# Altium PCB Smart Humidifier.PcbDoc
Units mil, origin at the board's own origin, x right, y up, seen from the top; angles counter-clockwise.
Board outline 3149.61 x 3149.61 mil, 2 copper layers (Top Layer, Bottom Layer); 111 components, 92 nets, 423 pads, 108 vias.
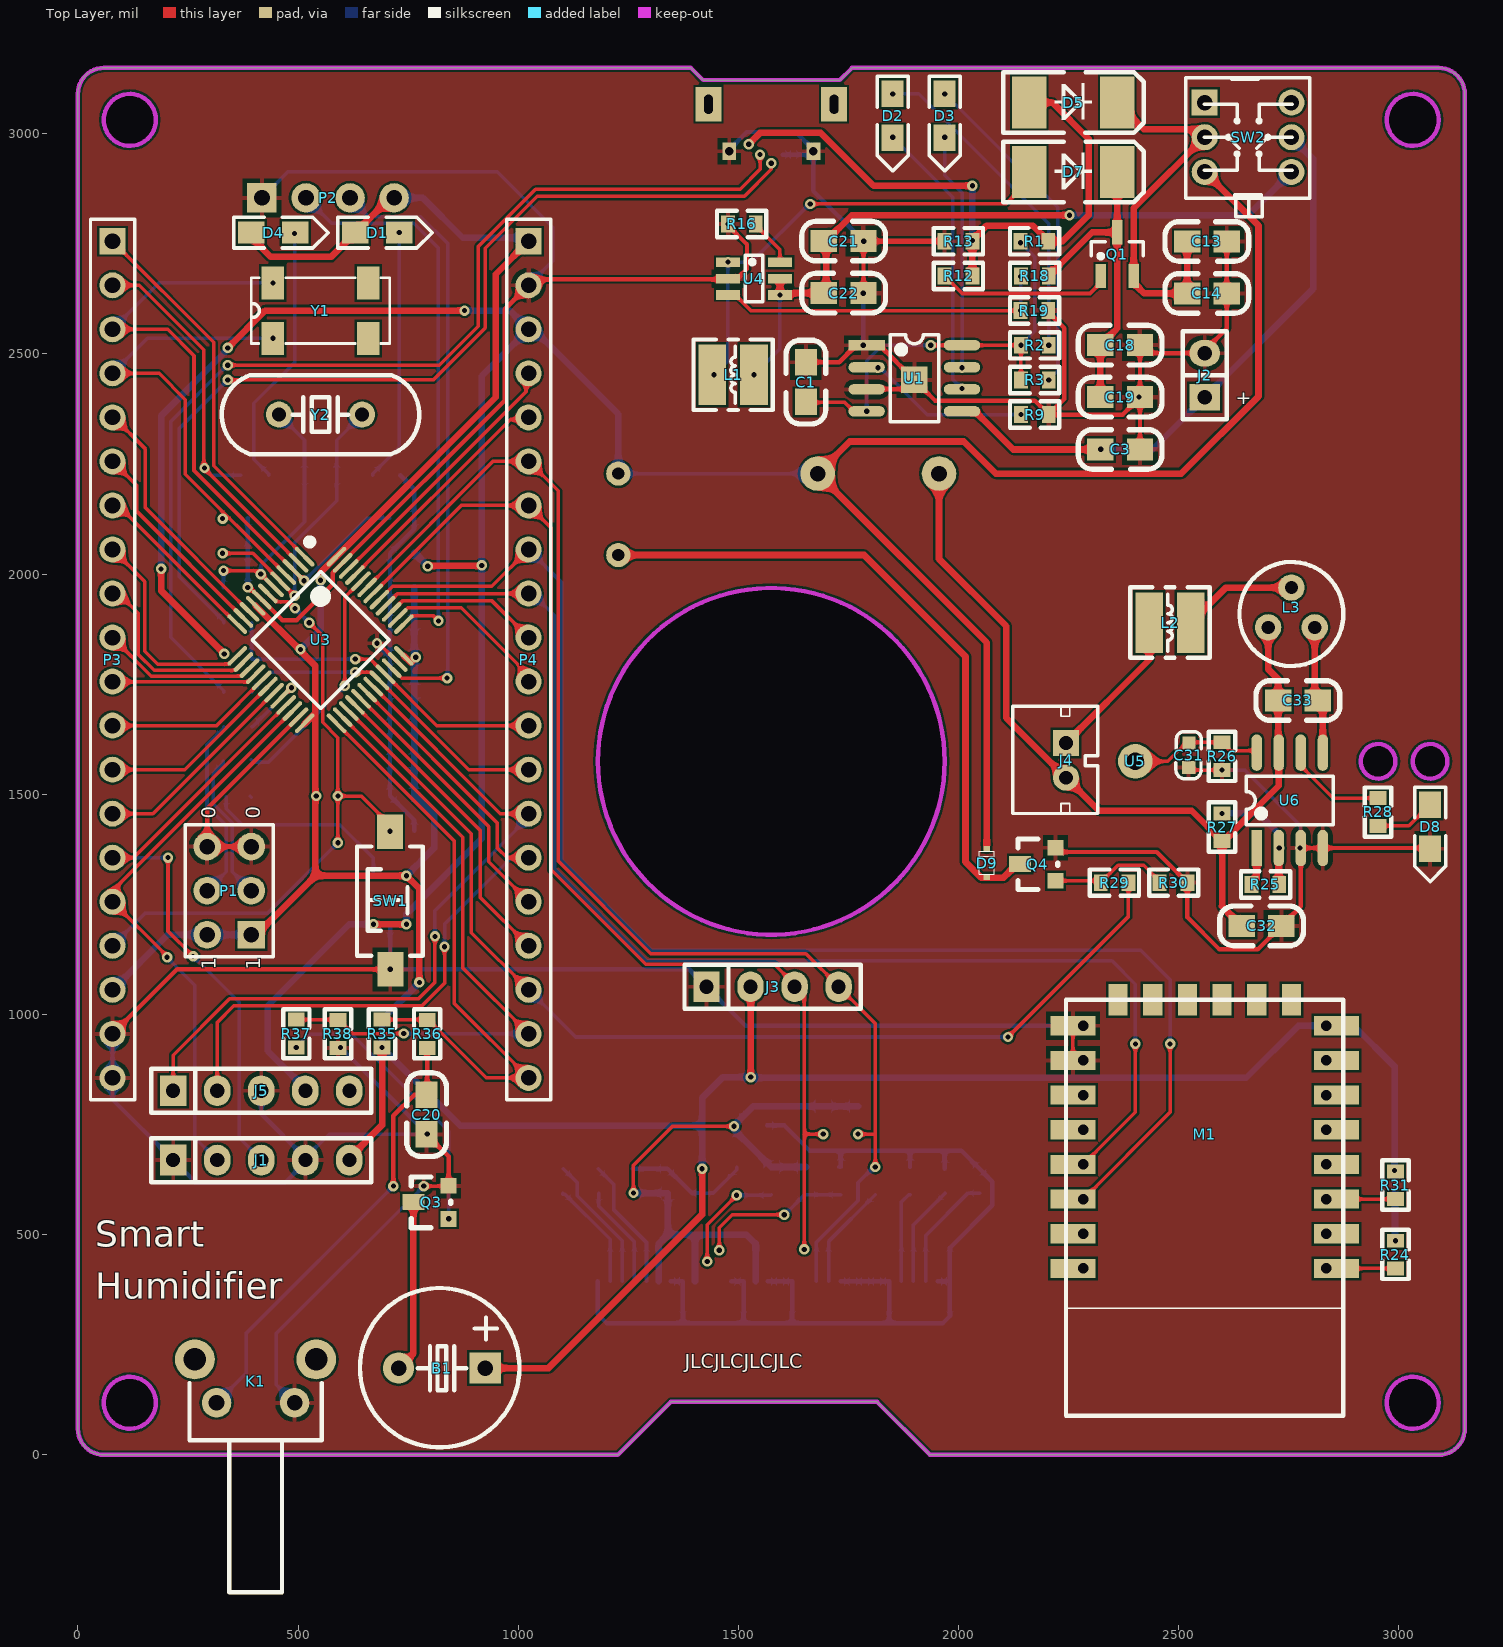
[diagram p0: Top Layer view]
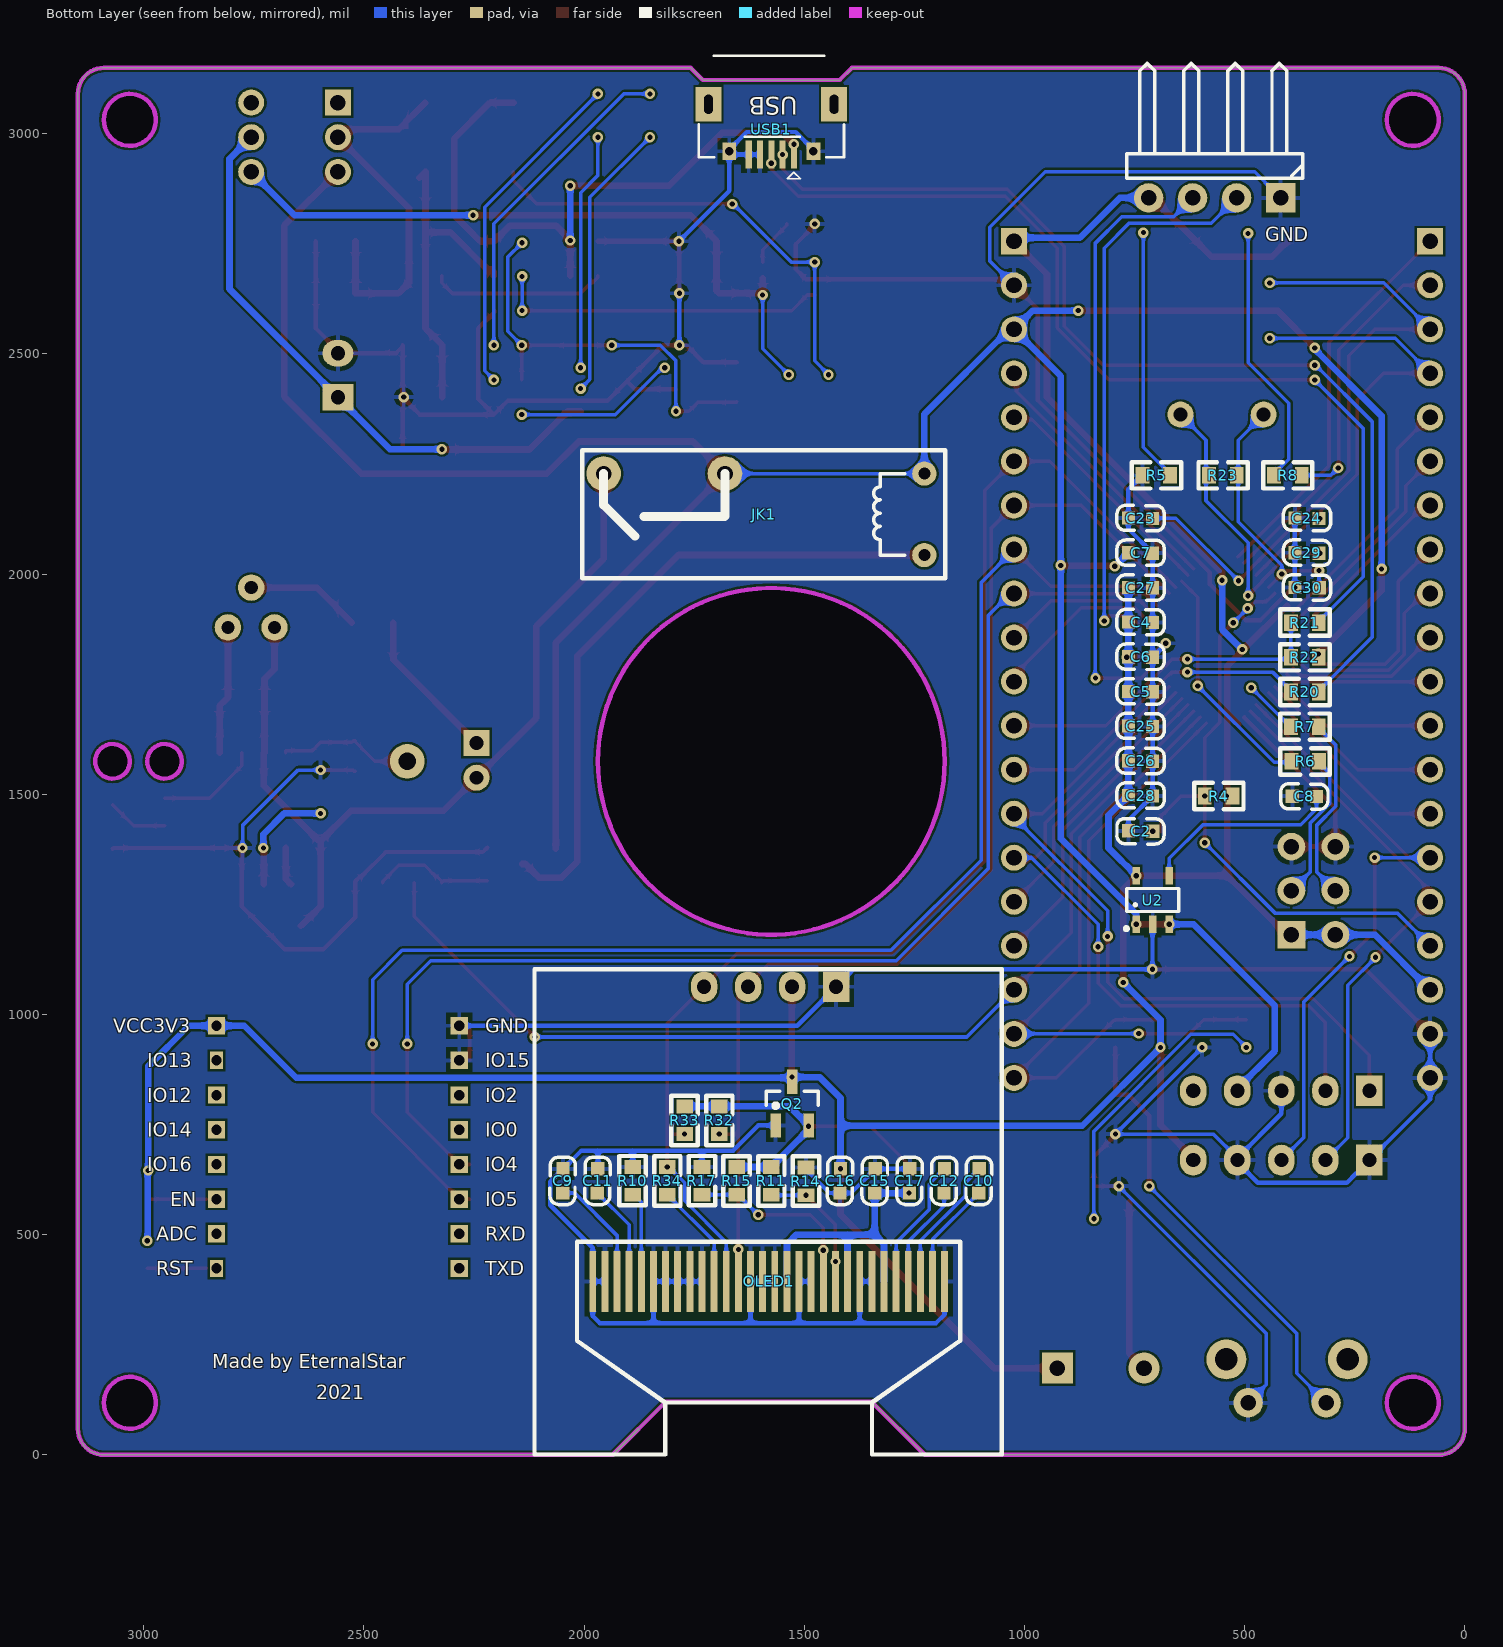
[diagram p1: Bottom Layer view, seen from below]

## Layer stack, top to bottom
Top Solder: solder mask 0.4, Solder Resist, Dk 3.5
Top Layer: signal copper 1.4
Dielectric 1: dielectric 12.6, FR-4, Dk 4.8
Bottom Layer: signal copper 1.4
Bottom Solder: solder mask 0.4, Solder Resist, Dk 3.5

## Board outline
59.06,0 cw(c59.06,59.06) 0,59.06 0,3090.55 cw(c59.06,3090.55) 59.06,3149.61 1392.22,3149.61 1419.78,3122.05 1730.32,3122.05 1757.87,3149.61 3090.55,3149.61 cw(c3090.55,3090.55) 3149.61,3090.55 3149.61,59.06 cw(c3090.55,59.06) 3090.55,0 1935.04,0 1814.96,120.08 1346.46,120.08 1226.38,0
cut-out: 3031.5,1574.8 ccw(c3070.87,1574.8) 3070.87,1535.43 ccw(c3070.87,1574.8) 3110.24,1574.8 ccw(c3070.87,1574.8) 3070.87,1614.17 ccw(c3070.87,1574.8)
cut-out: 2913.39,1574.8 ccw(c2952.76,1574.8) 2952.76,1535.43 ccw(c2952.76,1574.8) 2992.13,1574.8 ccw(c2952.76,1574.8) 2952.76,1614.17 ccw(c2952.76,1574.8)
cut-out: 2972.44,118.11 ccw(c3031.5,118.11) 3031.5,59.06 ccw(c3031.5,118.11) 3090.55,118.11 ccw(c3031.5,118.11) 3031.5,177.17 ccw(c3031.5,118.11)
cut-out: 118.11,59.06 cw(c118.11,118.11) 59.06,118.11 cw(c118.11,118.11) 118.11,177.17 cw(c118.11,118.11) 177.17,118.11 cw(c118.11,118.11)
cut-out: 3031.5,2972.44 cw(c3031.5,3031.5) 2972.44,3031.5 cw(c3031.5,3031.5) 3031.5,3090.55 cw(c3031.5,3031.5) 3090.55,3031.5 cw(c3031.5,3031.5)
cut-out: 118.11,2972.44 cw(c118.11,3031.5) 59.06,3031.5 cw(c118.11,3031.5) 118.11,3090.55 cw(c118.11,3031.5) 177.17,3031.5 cw(c118.11,3031.5)
cut-out: 1577.69,1180.04 cw(c1577.69,1573.74) 1183.98,1573.74 cw(c1577.69,1573.74) 1577.69,1967.44 cw(c1577.69,1573.74) 1971.39,1573.74 cw(c1577.69,1573.74)

## Design rules (kind name [scope] priority, off if disabled: settings)
Clearance [All] p1: gap=5 ignorepadtopadclearanceinfootprint=TRUE
ComponentClearance ComponentClearance_1 [InComponent('OLED1')] p1: gap=0 collisioncheckmode=3 verticalgap=0 showdistances=FALSE
ComponentClearance [All] p2: gap=10 collisioncheckmode=3 verticalgap=10 showdistances=FALSE
DiffPairsRouting [All] p1: maxlimit=10 minlimit=3.5 mostfreqgap=8 toplayer_minwidth=3.5 toplayer_maxwidth=15 toplayer_prefwidth=8 bottomlayer_minwidth=3.5 bottomlayer_maxwidth=15 bottomlayer_prefwidth=8 maxuncoupledlength=500
MinimumSolderMaskSliver [All] p1: minsoldermaskwidth=0
PolygonConnect [All] p1: connectstyle=Relief reliefconductorwidth=10 reliefentries=4 polygonreliefangle="90 Angle" airgapwidth=10
RoutingVias [All] p1: holewidth=28 width=50 viastyle="Through Hole" minholewidth=11.81 minwidth=19.68 maxholewidth=248.03 maxwidth=50
SilkToSilkClearance [All] p1: silktosilkclearance=0
SilkToSolderMaskClearance [IsPad] p1: minsilkscreentomaskgap=0 clearancetoexposedcopper=TRUE
SolderMaskExpansion [All] p1: expansion=4
UnpouredPolygon [All] p1: allowunpoured=TRUE allowshelved=TRUE
Width [All] p1: maxlimit=15 minlimit=3.5 preferedwidth=8
24 further rules are at their usual default settings.

## Components (designator, comment, footprint, x,y, rotation, side; value= is the part's Value field where it differs from the comment)
B1 "BEEP" "BEEP 5x9x5.5" 925.2,196.85 r180 top locked
C1 "10uF/0805" 0805C 1653.54,2480.32 r270 top
C2 "1uF/0603" 0603C 764.02,1417.32 r180 bottom
C3 "10uF/0805" 0805C 2322.83,2283.46 r0 top
C4 "10uF/0603" 0603C 708.66,1889.76 r0 bottom
C5 "0.1uF/0603" 0603C 708.66,1732.28 r0 bottom
C6 "0.1uF/0603" 0603C 708.66,1811.02 r0 bottom
C7 "1uF/0603" 0603C 708.66,2047.24 r0 bottom
C8 "22nF/0603" 0603C 391.83,1496.06 r180 bottom
C9 "2.2uF/0603" 0603C 2047.24,649.61 r270 bottom
C10 "1uF/0603" 0603C 1102.36,649.61 r270 bottom locked
C11 "4.7uF/0603" 0603C 1968.5,649.61 r270 bottom
C12 "1uF/0603" 0603C 1181.1,649.61 r270 bottom locked
C13 "10uF/0805" 0805C 2519.68,2755.91 r0 top
C14 "0.1uF/0805" 0805C 2519.68,2637.8 r0 top
C15 "1uF/0603" 0603C 1338.58,649.61 r270 bottom locked
C16 "1uF/0603" 0603C 1417.32,649.61 r270 bottom
C17 "1uF/0603" 0603C 1259.84,649.61 r270 bottom locked
C18 "20uF/0805" 0805C 2411.28,2519.68 r180 top
C19 "0.1uF/0805" 0805C 2411.28,2401.57 r180 top
C20 "10nF/0603" 0805C 791.57,728.35 r90 top
C21 "0.1uF/0805" 0805C 1783.46,2755.91 r180 top
C22 "20uF/0805" 0805C 1783.46,2637.8 r180 top
C23 "22pF/0603" 0603C 708.66,2125.98 r0 bottom locked
C24 "22pF/0603" 0603C 330.61,2125.98 r0 bottom
C25 "1uF/0603" 0603C 708.66,1653.54 r0 bottom
C26 "1uF/0603" 0603C 708.66,1574.8 r0 bottom
C27 "1uF/0603" 0603C 708.66,1968.5 r0 bottom locked
C28 "1uF/0603" 0603C 708.66,1496.06 r0 bottom
C29 "22pF/0603" 0603C 330.61,2047.24 r0 bottom
C30 "22pF/0603" 0603C 330.5,1968.5 r0 bottom
C31 "0.1uF/0603" 0603C 2523.98,1616.35 r270 top
C32 "10uF/X7R/0805" 0805C 2732.28,1200.79 r180 top
C33 "8.2nF/NPO/0805" 0805C 2814.96,1712.6 r180 top
D1 "LEDR/0805" LED-0805R 629.92,2775.59 r0 top
D2 "LEDG/0805" LED-0805G 1850.39,3090.55 r270 top
D3 "LEDR/0805" LED-0805R 1968.5,3090.55 r270 top
D4 "LEDY/0805" LED-0805Y 393.7,2775.59 r0 top
D5 "SS24/2A/40V/SMA" SMA/DO-214AC 2165.35,3070.87 r0 top
D7 "SM340A" SMA/DO-214AC 2165.35,2913.39 r0 top
D8 "LEDP/0805" LED-0805Y 3070.87,1476.38 r270 top
D9 "IN4148" SOD-523 2047.24,1318.9 r90 top
J1 "Female HDR1X5" Fe-HDR1X5/2.54-S 216.54,669.29 r90 top
J2 "电池接口" Fe-HDR1X2/2.54-S 2559.06,2401.57 r90 top
J3 "Pin HDR1X4" "Pin HDR1X4/2.54mm-S" 1427.56,1062.99 r90 top locked
J4 "雾化器接口/PH2.0" PH2.0-2P 2244.09,1616.35 r270 top
J5 "Female HDR1X5" Fe-HDR1X5/2.54-S 216.54,826.77 r90 top
JK1 "HF46F/5-HS1" HF46-xx-HS1 1589.49,2135.83 r0 bottom
K1 "KEY 6*6*12" DIP-6X6X12_C 314.96,118.11 r0 top locked
L1 "3.3uH/CD32" CD32 1488.19,2452.76 r180 top
L2 "220uH/CD32" CD32 2480.32,1889.76 r0 top
L3 "27uH:760uH" "INDUCTOR Tripod" 2755.91,1909.45 r0 top
M1 "ESP-12E&F Module" "ESP-12E&F Module" 2559.06,728.35 r180 top locked
OLED1 "0.96OLED_SSD1306" OLED_0.96 1181.1,393.7 r0 bottom locked
P1 "Header 3X2" HDR-3X2 393.7,1181.1 r90 top
P2 "SWD" HDR-1X4_H 418.11,2854.33 r0 top
P3 "Header 20" HDR1X20 78.74,2755.91 r270 top locked
P4 "Header 20" HDR1X20 1023.62,2755.91 r270 top locked
Q1 "IRLML6401/SOT23" SOT23#1 2322.83,2677.17 r0 top
Q2 "662K/SOT23" SOT23#2 1564.97,748.03 r180 bottom
Q3 "SS8050/NPN/SOT-23" SOT-23 807.09,570.87 r90 top
Q4 "S9014/NPN/SOT-23" SOT-23 2185.04,1338.58 r90 top
R1 "0.4R/0603" 0603R 2203.73,2755.91 r180 top
R2 "1K/0603" 0603R 2141.73,2519.68 r0 top
R3 "1K/0603" 0603R 2141.73,2440.94 r0 top
R4 "10K/0603" 0603R 527.56,1496.06 r0 bottom
R5 "510R/0603" 0603R 669.29,2224.41 r0 bottom
R6 "10K/0603" 0603R 393.7,1574.8 r180 bottom locked
R7 "10K/0603" 0603R 331.7,1653.54 r0 bottom locked
R8 "510R/0603" 0603R 433.07,2224.41 r180 bottom
R9 "1K2/0603" 0603R 2141.73,2362.2 r0 top
R10 "910K/0603" 0603R 1889.76,653.54 r270 bottom
R11 "1K/0603" 0603R 1574.8,590.55 r90 bottom
R12 "100K/0603" 0603R 1968.5,2677.17 r0 top
R13 "100K/0603" 0603R 1968.5,2755.91 r0 top
R14 "1K/0603" 0603R 1496.06,652.55 r270 bottom
R15 "1K/0603" 0603R 1653.54,590.55 r90 bottom
R16 "10K/0603" 0603R 1476.38,2795.28 r0 top locked
R17 "1K/0603" 0603R 1732.28,653.54 r270 bottom
R18 "88K/0603" 0603R 2141.73,2677.17 r0 top
R19 "12K/0603" 0603R 2203.73,2598.43 r180 top
R20 "20R/0603" 0603R 331.69,1732.28 r0 bottom locked
R21 "20R/0603" 0603R 331.69,1889.76 r0 bottom locked
R22 "4K7/0603" 0603R 331.69,1811.02 r0 bottom
R23 "1M/0603" 0603R 517.72,2224.41 r0 bottom locked
R24 "510R/0603" 0603R 2992.13,486.22 r270 top
R25 "113K/0603" 0603R 2728.35,1295.28 r180 top
R26 "10M/0603" 0603R 2598.43,1555.12 r90 top locked
R27 "510K/0603" 0603R 2598.43,1456.69 r270 top locked
R28 "2K/0603" 0603R 2952.76,1428.38 r90 top
R29 "4K7/0603" 0603R 2322.83,1299.21 r0 top
R30 "100K/0603" 0603R 2519.68,1299.21 r180 top
R31 "1K/0603" 0603R 2992.13,643.7 r270 top
R32 "4K7/0603" 0603R 1692.91,728.35 r90 bottom
R33 "4K7/0603" 0603R 1771.65,728.35 r90 bottom
R34 "0R/0603" 0603R 1811.02,590.55 r90 bottom
R35 "10K/0603" 0603R 690.94,925.2 r90 top
R36 "10K/0603" 0603R 793.31,987.2 r270 top
R37 "4K7/0603" 0603R 496.06,925.2 r90 top
R38 "10K/0603" 0603R 590.55,987.2 r270 top
SW1 "SW-PB_V" "TSW SMD-3*6*2.5" 708.66,1259.84 r90 top locked
SW2 "KFT" "KFT DIP-7X7" 2559.06,3070.87 r0 top locked
U1 "TP4056" SOP8 1791.34,2519.68 r0 top locked
U2 "RT9193" SOT23-5L 708.66,1259.84 r180 bottom locked
U3 "STM32F103C8T6" "TQFP48 7x7_L" 551.18,1850.39 r225 top locked
U4 "TC6291C/SOT23-6" SOT23-6 1476.38,2708.66 r270 top locked
U5 "缺水引线" 通孔焊盘 3059.06,1574.8 r0 top
U6 "XKT-201/SOP-8" SOP8 2677.17,1377.95 r90 top locked
USB1 "Micro-USB" USB-micro_B 1523.62,2952.76 r0 bottom
Y1 "32.768K" MC-306 551.18,2598.43 r0 top locked
Y2 "8M" "XTAL-49S DIP" 551.18,2362.2 r0 top locked

## Footprints (in the part's own frame and the unit in brackets; to place one, negate y for a bottom-side part, rotate by r counter-clockwise, add the part's x,y. Pads: shape width x height; smd on the part's side, far side on the other; paste and mask are expansions set on the pad)
0603C [mil]
  rect 30x30 smd: 1(0.21,-0.35) 2(55.21,-1.35)
  silkscreen extent -26,-30 81,28, body extent -1,-15 62,16, height 12
0603R [mm]
  rect 0.8x0.965 smd: 1(0,0) 2(1.6,0)
  silkscreen extent -0.64,-0.76 2.21,0.76, body extent -0.04,-0.41 1.56,0.41, height 0.45
0805C [mil]
  rect 60x50 smd: 1(-0.71,-0.4) 2(89.29,-0.4)
  silkscreen extent -51,-45 139,45, body extent 6,-25 84,25, height 31
"BEEP 5x9x5.5" [mm]
  rect 1.8x1.8 hole 0.9: 1(0,0)
  round 1.8 hole 0.9: 2(5,0)
  silkscreen extent -1.97,-4.62 7.23,4.57, body extent -1.96,-4.44 7.04,4.55, height 5.45
CD32 [mm] "3.5*3*2mm（长宽高）"
  rect 1.6x3.5 smd: 1(-1.2,0) 2(1.2,0)
  silkscreen extent -2.29,-2.03 2.29,2.03, body extent -1.71,-1.4 1.71,1.6, height 2.15
DIP-6X6X12_C [mm]
  round 2.3 hole 1.3: 0(-1.25,2.5) 0(5.75,2.5)
  round 1.7 hole 0.9: 1(0,0) 3(4.5,0)
  silkscreen extent -1.56,-10.92 6.06,1.14, body extent -1.9,-10.79 6.47,4.06, height 7.47
"ESP-12E&F Module" [mm]
  rect 2.6x1.1 smd: 1(-7.6,7.75) 2(-7.6,5.75) 3(-7.6,3.75) 4(-7.6,1.75) 5(-7.6,-0.25) 6(-7.6,-2.25) 7(-7.6,-4.25) 8(-7.6,-6.25) 15(7.6,-6.25) 16(7.6,-4.25) 17(7.6,-2.25) 18(7.6,-0.25) 19(7.6,1.75) 20(7.6,3.75) 21(7.6,5.75) 22(7.6,7.75)
  rect 0.762x1 hole 0.6: 1(-7,7.75) 7(-7,-4.25)
  rect 0.762x1 / inner rect 0.762x1 / far side rect 1x1 hole 0.6: 2(-7,5.75) 3(-7,3.75) 4(-7,1.75) 5(-7,-0.25) 6(-7,-2.25) 8(-7,-6.25) 15(7,-6.25) 16(7,-4.25) 17(7,-2.25) 18(7,-0.25) 19(7,1.75) 20(7,3.75) 21(7,5.75) 22(7,7.75)
  rect 1.1x1.8 smd: 9(-5,-7.75) 10(-3,-7.75) 11(-1,-7.75) 12(1,-7.75) 13(3,-7.75) 14(5,-7.75)
  silkscreen extent -8,-7.75 8,16.25
Fe-HDR1X2/2.54-S [mil] "Connector; Header; 2x2 Position"
  rect 60x70 hole 32: 1(0,0)
  oval 60x70 hole 32: 2(100,0)
  silkscreen extent -50,-50 150,50, body extent -55,-48 155,50, height 335
Fe-HDR1X5/2.54-S [mil]
  rect 70x60 hole 32: 1(0,0)
  oval 70x60 hole 32: 2(0,-100) 3(0,-200) 4(0,-300) 5(0,-400)
  silkscreen extent -50,-450 50,50, body extent -50,-455 48,55, height 126
HDR1X20 [mm] "Connector; Header; 20 Position"
  rect 1.5x1.5 hole 0.9: 1(0,0)
  round 1.5 hole 0.9: 2(2.54,0) 3(5.08,0) 4(7.62,0) 5(10.16,0) 6(12.7,0) 7(15.24,0) 8(17.78,0) 9(20.32,0) 10(22.86,0) 11(25.4,0) 12(27.94,0) 13(30.48,0) 14(33.02,0) 15(35.56,0) 16(38.1,0) 17(40.64,0) 18(43.18,0) 19(45.72,0) 20(48.26,0)
  silkscreen extent -1.27,-1.27 49.53,1.27
HDR-1X4_H [mm] "弯脚排针，4脚"
  rect 1.7x1.7 hole 0.9: 1(0,0)
  round 1.7 hole 0.9: 2(2.54,0) 3(5.08,0) 4(7.62,0)
  body extent -1.27,-1.27 8.89,7.77, height 4.85
HDR-3X2 [mm] "双排排针，3x2脚"
  rect 1.6x1.6 hole 0.9: 1(0,0)
  round 1.6 hole 0.9: 2(0,2.54) 3(2.54,0) 4(2.54,2.54) 5(5.08,0) 6(5.08,2.54)
  silkscreen extent -1.27,-1.27 6.35,3.81, body extent -1.27,-1.27 6.35,3.81, height 8.5
HF46-xx-HS1 [mm] "一组常开，长：20.5mm，宽：7mm，高：15.3mm"
  round 1.4 hole 0.7: 1(-9.2,2.35) 2(-9.2,-2.35)
  round 2 hole 0.9: 3(2.3,-2.35) 4(9.3,-2.35)
  silkscreen extent -10.41,-3.68 10.54,3.68, body extent -10.25,-3.56 10.25,3.44, height 15.3
"INDUCTOR Tripod" [mil]
  round 60 hole 30: 1(0,60) 2(52.83,-30.51) 3(-52.83,-30.51)
  silkscreen extent -118,-118 118,118, body extent -115,30 -115,30, height 10
"KFT DIP-7X7" [mm]
  rect 1.5x1.5 hole 0.9: 1(0,0)
  round 1.5 hole 0.9: 2(0,-2) 3(0,-4) 4(5,-4) 5(5,-2) 6(5,0)
  silkscreen extent -1.08,-6.58 6.06,1.42, body extent -1.09,-5.46 5.91,1.54, height 11.2
LED-0805G [mil]
  rect 60x50 smd: A(0,0) K(100,0)
  silkscreen extent -40,-35 175,35, body extent 11,-24 89,25, height 32
LED-0805R [mil]
  rect 60x50 smd: A(0,0) K(100,0)
  silkscreen extent -40,-35 175,35, body extent 11,-24 89,25, height 32
LED-0805Y [mil]
  rect 60x50 smd: A(0,0) K(100,0)
  silkscreen extent -40,-35 175,35, body extent 11,-26 89,23, height 32
MC-306 [mm]
  rect 1.3x1.9 smd: 1(-2.75,-1.6) 2(2.75,-1.6) 3(2.75,1.6) 4(-2.75,1.6)
  silkscreen extent -4,-1.9 4,1.9
OLED_0.96 [mm]
  rect 0.4x3.5 smd: 1(0,0) 2(0.7,0) 3(1.4,0) 4(2.1,0) 5(2.8,0) 6(3.5,0) 7(4.2,0) 8(4.9,0) 9(5.6,0) 10(6.3,0) 11(7,0) 12(7.7,0) 13(8.4,0) 14(9.1,0) 15(9.8,0) 16(10.5,0) 17(11.2,0) 18(11.9,0) 19(12.6,0) 20(13.3,0) 21(14,0) 22(14.7,0) 23(15.4,0) 24(16.1,0) 25(16.8,0) 26(17.5,0) 27(18.2,0) 28(18.9,0) 29(19.6,0) 30(20.3,0)
  silkscreen extent -3.3,-18.02 23.66,9.98
PH2.0-2P [mm]
  rect 1.5x1.5 hole 0.8: 1(0,0)
  round 1.5 hole 0.8: 2(2,0)
  silkscreen extent -2.13,-3.08 4.06,1.82, body extent -1.95,-2.97 3.95,1.73, height 6.01
"Pin HDR1X4/2.54mm-S" [mil]
  rect 70x60 hole 32: 1(0,0)
  oval 70x60 hole 32: 2(0,-100) 3(0,-200) 4(0,-300)
  silkscreen extent -50,-350 50,50, body extent -50,-350 50,50, height 336
SMA/DO-214AC [mm] "塑封二极管"
  rect 2x3 smd: A(-0.127,0) K(4.953,0)
  silkscreen extent -1.63,-1.75 6.48,1.75, body extent 0.11,-1.35 4.71,1.35, height 2.4
SOD-523 [mm] "塑封二极管"
  rect 0.3x0.4 smd: A(-0.203,-0.425) K(1.473,-0.425)
  silkscreen extent 0,-0.85 1.3,0, body extent -0.16,-0.83 1.44,-0.03, height 0.65
SOP8 [mm]
  rect 2.1x0.6 smd: 1(0,0)
  oval 2.1x0.6 smd: 2(0,-1.27) 3(0,-2.54) 4(0,-3.81) 5(5.5,-3.81) 6(5.5,-2.54) 7(5.5,-1.27) 8(5.5,0)
  silkscreen extent 1.35,-4.41 4.15,0.6, body extent -0.21,-4.44 5.8,0.56, height 1.9
SOT23#1 [mm]
  rect 0.6x1.4 smd: D(0.95,2.514) G(0,0) S(1.9,0)
  silkscreen extent -0.55,1.02 2.45,1.97, body extent -0.56,0.22 2.44,2.62, height 1.05
SOT23#2 [mm]
  rect 0.6x1.4 smd: 1(0,0) 2(1.9,0) 3(0.95,2.514)
  silkscreen extent -0.55,1.02 2.45,1.97, body extent -0.56,0.22 2.44,2.62, height 1.05
SOT23-5L [mm] "3x1.6x1.1mm(长宽高)"
  rect 0.45x1 smd: 1(-0.95,-1.4) 2(0,-1.4) 3(0.95,-1.4) 4(0.95,1.4) 5(-0.95,1.4)
  silkscreen extent -1.6,-1.73 1.5,0.66, body extent -1.5,-1.4 1.5,1.4, height 1.15
SOT23-6 [mm]
  rect 0.55x1.4 smd: 1(0,0) 2(0.95,0) 3(1.9,0) 4(1.9,3) 5(0.95,3) 6(0,3)
  silkscreen extent -0.38,0.99 2.29,2.01, body extent -0.56,0.12 2.44,2.93, height 1.15
SOT-23 [mil]
  rect 36x36 smd: B(-35,-35) E(40,-35)
  rect 36x50 smd: C(3,45)
  silkscreen extent -55,-40 60,50, body extent -54,-48 60,62, height 47
"TQFP48 7x7_L" [mm] "48脚，体宽：7x7mm, 脚距：0.5mm"
  oval 0.25x1.5 smd: 1(-2.75,-4.046) 2(-2.25,-4.046) 3(-1.75,-4.046) 4(-1.25,-4.046) 5(-0.75,-4.046) 6(-0.25,-4.046) 7(0.25,-4.046) 8(0.75,-4.046) 9(1.25,-4.046) 10(1.75,-4.046) 11(2.25,-4.046) 12(2.75,-4.046) 25(2.75,4.046) 26(2.25,4.046) 27(1.75,4.046) 28(1.25,4.046) 29(0.75,4.046) 30(0.25,4.046) 31(-0.25,4.046) 32(-0.75,4.046) 33(-1.25,4.046) 34(-1.75,4.046) 35(-2.25,4.046) 36(-2.75,4.046)
  oval 1.5x0.25 smd: 13(4.046,-2.75) 14(4.046,-2.25) 15(4.046,-1.75) 16(4.046,-1.25) 17(4.046,-0.75) 18(4.046,-0.25) 19(4.046,0.25) 20(4.046,0.75) 21(4.046,1.25) 22(4.046,1.75) 23(4.046,2.25) 24(4.046,2.75) 37(-4.046,2.75) 38(-4.046,2.25) 39(-4.046,1.75) 40(-4.046,1.25) 41(-4.046,0.75) 42(-4.046,0.25) 43(-4.046,-0.25) 44(-4.046,-0.75) 45(-4.046,-1.25) 46(-4.046,-1.75) 47(-4.046,-2.25) 48(-4.046,-2.75)
  silkscreen extent -3.68,-4.57 2.79,2.79, body extent -4.5,-4.5 4.5,4.5, height 1.05
"TSW SMD-3*6*2.5" [mm] "3*6*2.5mm"
  rect 2x1.5 smd: 1(-3.996,-0.02) 2(3.937,0)
  silkscreen extent -3.21,-1.9 3.09,1.9, body extent -4,-1.88 4,1.62, height 2.59
USB-micro_B [mm]
  rect 1.5x2 hole 0.5 slot 1.1 at 90 deg: 0(-2.325,-2.9) 0(4.925,-2.9)
  rect 0.35x1.6 smd: 1(0,0) 2(0.65,0) 3(1.3,0) 4(1.95,0) 5(2.6,0)
  rect 0.8x1 hole 0.5: 5(-1.125,-0.19) 5(3.725,-0.19)
  silkscreen extent -2.89,-5.69 5.49,1.4, body extent -2.7,-5.6 5.3,0, height 2.8
"XTAL-49S DIP" [mm]
  round 1.5 hole 0.8: 1(-2.4,0) 2(2.4,0)
  silkscreen extent -5.7,-2.28 5.7,2.28, body extent -5.68,-2.35 5.68,2.3, height 3.5
通孔焊盘 [mm]
  round 2 hole 1: Hole(-16.7,0)